# Altium PCB PCB_sim800c_v1.1.PcbDoc (continued)
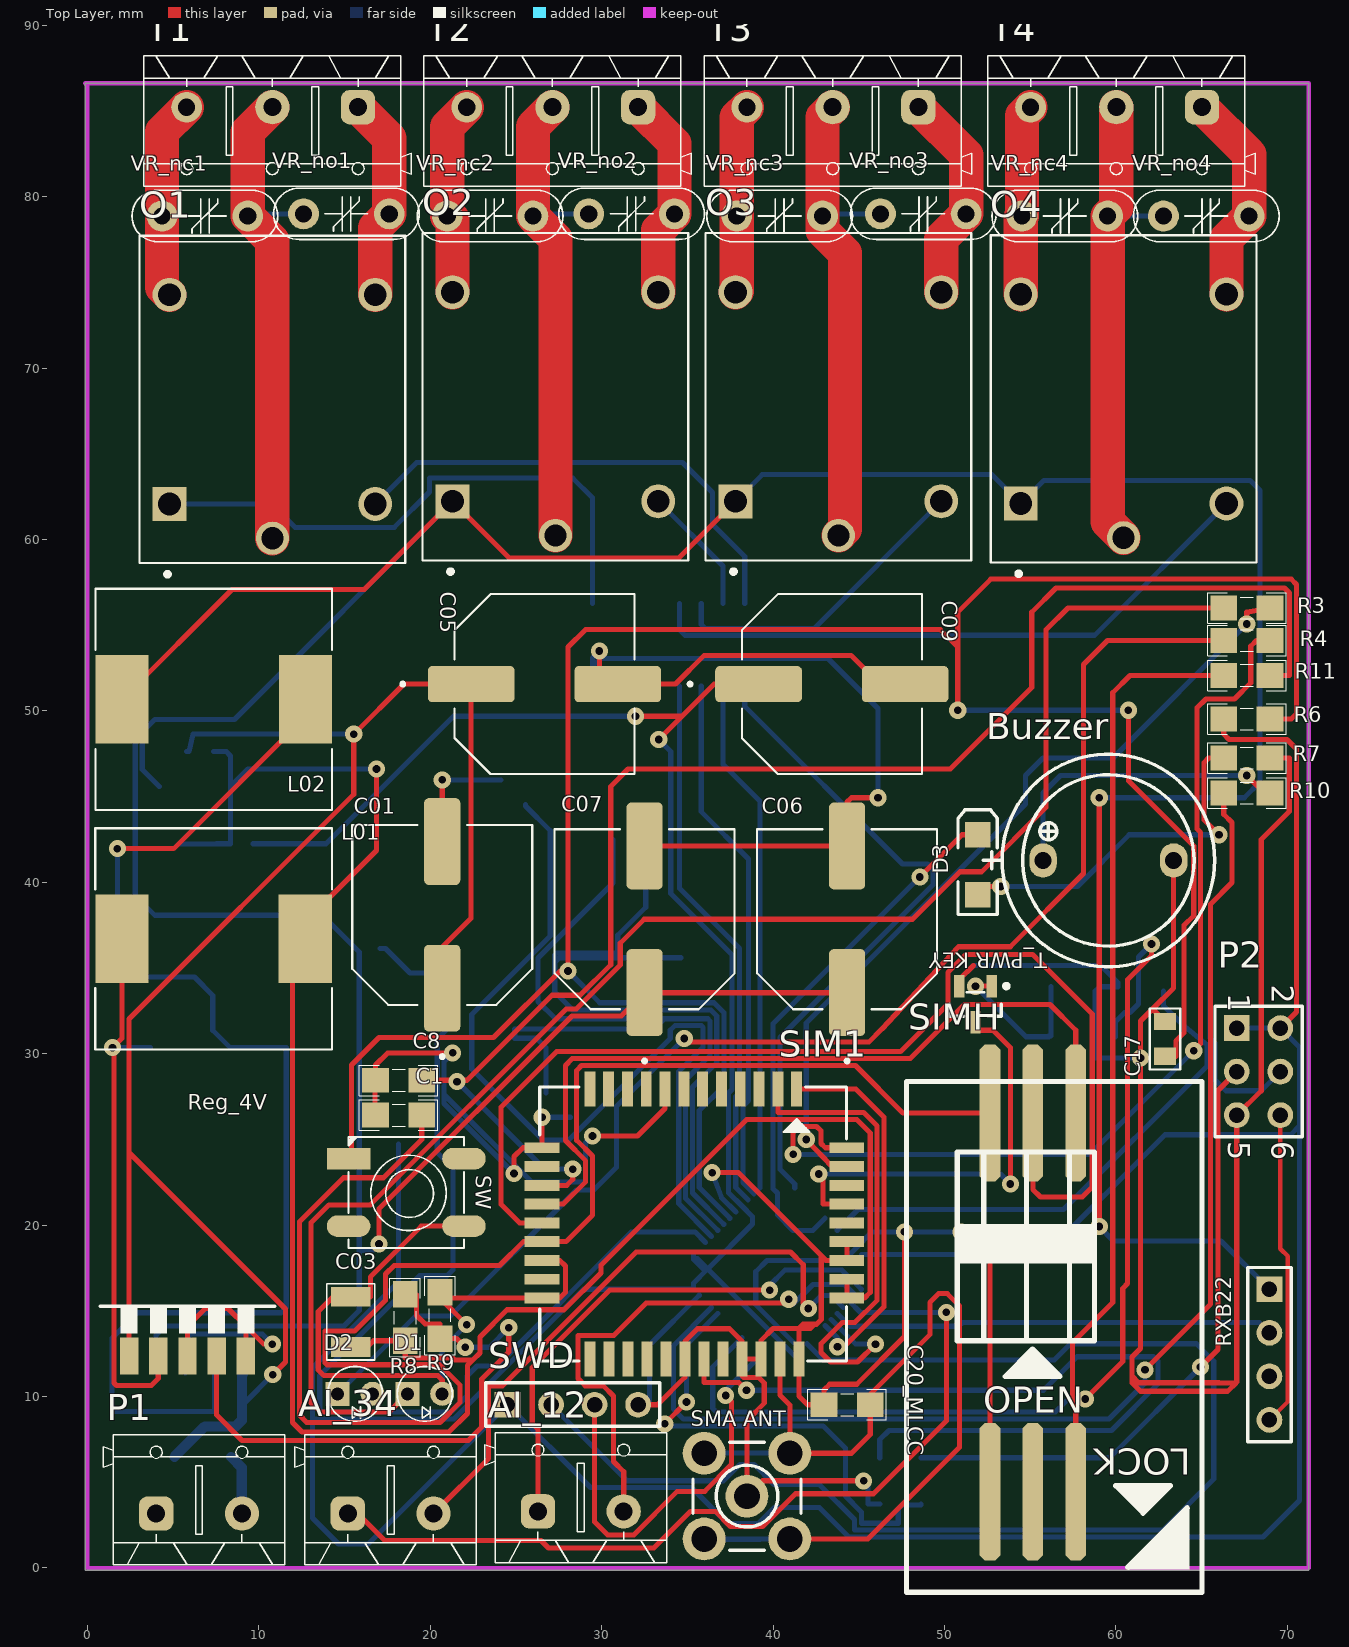
[diagram p0: Top Layer view]
## Part data (continued)
P2: "Header, 3-Pin, Dual row", LatestRevisionDate=17-Jul-2002, LatestRevisionNote="Re-released for DXP Platform.", Publisher="Altium Limited"
R1 R2: library part "RES 1206 0.25W", "RES 1206", Data=16-12-2016, Desc.="RES SMD 1206", Designer="Abbas Basereh"
R3 R4 R5 R6 R7 R8 R9 R10 R11 R12 R13: library part "RES 0805 0.125W", "RES 0805", Data=16-12-2016, Desc.="RES SMD 0805", Designer="Abbas Basereh"
Reg3v3: library part AMS1117-x.x, "x.x Volt, 800mA Low-Dropout Linear Regulator, 4-pin SOT-223", Data=16-12-2016, Designer="Ali Hafizi"
Reg_4V: Package=None, Availability=Unavailable, MF="First Components", MP=LM2596-ADJ, Price=None, SnapEDA_Link=https://www.snapeda.com/parts/LM2596-ADJ/First%20Components/view-part/557542/?ref=snap
Reg_5V: "SIMPLE SWITCHER&reg; 4.5V to 40V, 3A Low Component Count Step-Down Regulator 5-DDPAK/TO-263", Package="TO-263-5 Texas Instruments", Availability=Good, DigiKey-Purchase-URL=https://snapeda.com/shop?store=DigiKey&id=15588, MF="Texas Instruments", Mouser-Purchase-URL=https://snapeda.com/shop?store=Mouser&id=15588, MP=LM2596S-5.0/NOPB, Price=None, SnapEDA_Link=https://www.snapeda.com/parts/LM2596S-5.0/NOPB/Texas%20Instruments/view-part/15588/?ref=snap, Texas_Instruments-Purchase-URL=https://snapeda.com/shop?store=Texas+Instruments&id=15588
RXB22 SWD: "Header, 4-Pin"
Sch1_5822 Sch2_5822: library part "1N5822 SMD", "Schottky Rectifiers", Manufacturer="ON Semiconductor/Fairchild", Data=16-12-2016, Designer="Abbas Basereh", Link=https://www.aliexpress.com/item/Free-shipping-100pcs-1n5822-sma-smd-do-214ac-Schottky-diode-ss34/32337482329.html?spm=2114.01010208.3.1.zLZDsP&ws_ab_test=searchweb0_0,searchweb201602_4_10065_10068_10084_10083_10080_10082_10081_10060_10061_10062_10056_10055_10054_10059_10099_10078_10079_427_10073_10103_10102_10096_10052_10050_10051,searchweb201603_4&btsid=6e50dc92-ac69-45bc-a19e-209af19ce602, Part. No=SS34
SIM1: library part SIM800C, Designer="Ali Hafizi"
"SMA ANT": library part "ANT SMA", Designer="Ali Hafizi"
SW: "PUSHBUTTON SWITCH 6MM SMD"
T1 T2 T3 T4: library part KF301-3Pin_Terminal, "Terminal 3 Pin 250VAC 16A", Designer="Abbas Basereh", Link=https://www.aliexpress.com/item/, Part. No="KF301 3P"
"T_PWR KEY": "45 V, 500 mA NPN general-purpose transistors", ComponentLink1Description="Manufacturer Link", ComponentLink1URL=http://www.nxp.com/, ComponentLink2Description=Datasheet, ComponentLink2URL=http://www.nxp.com/, DatasheetVersion=2017, LatestRevisionDate=2017, LatestRevisionNote="IPC-7351 Footprint Added.", PackageDescription="3-Pin SOT-23 Package 0.95 mm Pitch, 2.3 mm Lead Span", PackageReference=SOT23, PackageVersion=2017-2-8, Published=2017-2-8, Publisher="Abbas Basereh"
U1: "ARMÂ® CortexÂ®-M3 STM32F1 Microcontroller IC 32-Bit 72MHz 64KB _64K x 8_ FLASH", Package="LQFP-48 STMicroelectronics", Availability=Unavailable, MF=STMicroelectronics, MP=STM32F103C8T6, Price=None, SnapEDA_Link=https://www.snapeda.com/parts/STM32F103C8T6/STMicroelectronics/view-part/52195/?ref=snap
VR_nc1 VR_nc2 VR_nc3 VR_nc4 VR_no1 VR_no2 VR_no3 VR_no4: library part "VARISTOR (VDR)", "VARISTORS", Manufacturer=china-canada-philipina, Data=2017-1-5, Designer="Abbas Basereh", Link=digikey.com, Models=MOV-VDR-COV, Publisher="ABBAS BASEREH"
Y1 Y2: library part XTAL, "XTAL Crystal", ComponentLink1Description=Datasheet, ComponentLink2Description=Reference, Design Date=2017-1-3, Designer="ABBAS BASEREH", Mounting Technology="Surface Mount\Through-Hole", Status=Unreleased
SIMH: Deigner="Ali Hafizi"

## Via types
v1: diameter 1, hole 0.45, Top Layer to Bottom Layer, 57 vias

## Nets (pads, with @x,y where several pads share a name; then routed paths per layer and width w, separated by ;. In a path a pad name is that pad's centre, name@x,y a point inside that pad or via, vN(x,y) a via of type N, cw(c..) or ccw(c..) an arc to the next point about the centre after c; other vN are vias at no path point)
3V3: C09.1 C10.1 C18.2 P2.1 P2.2 R6.1 Reg3v3.2 Reg3v3.4 SWD.1 U1.1 U1.9 U1.24 U1.36 U1.48 | length 280
  Top Layer w0.3: v1(31.979,49.682) 34.696,49.682 ; v1(33.337,48.323) 34.696,49.682 ; C09.1 36.576,51.562 34.696,49.682 ; R6.1 66.294,48.641 66.599,48.336 69.977,48.336 70.536,47.777 70.536,32.436 P2.2
  Bottom Layer w0.3: Reg3v3.4 Reg3v3.2 18.161,16.713 13.132,11.684 13.132,8.693 ; v1(31.979,49.682) 21.359,49.682 13.921,42.244 C18.2 ; v1(33.337,48.323) 34.036,47.625 34.036,39.345 37.608,35.772 37.608,27.906 37.408,27.705 37.408,21.891 U1.9 38.811,20.488 38.811,20.066 36.194,17.448 ; U1.1 35.359,18.059 ; U1.36 36.194,17.448 ; U1.24 55.875,18.283 62.865,25.273 70.206,25.273 70.714,25.781 ; P2.1 P2.2 70.714,30.378 70.714,25.781 ; C18.2 11.811,42.24 9.677,42.24 C10.1 C18.2 ; 13.132,8.693 13.132,2.921 14.656,1.397 16.383,1.397 SWD.1 29.345,4.691 35.244,4.691 37.344,2.591 39.144,2.591 40.083,3.531 42.697,3.531 44.423,1.805 68.582,1.805 70.714,3.937 70.714,25.781 ; 13.132,8.693 21.375,8.693 28.942,16.261 U1.48 35.359,16.614 36.17,17.424 ; 35.359,18.059 35.583,18.059 36.194,17.448 ; 35.359,18.059 35.359,18.007 35.941,17.424 36.17,17.424 ; 36.17,17.424 36.194,17.448
4V: C03.POS C04.1 C11.1 C12.1 L01.2 R8.1 SIM1.34 SIM1.35 | length 123.6
  Top Layer w0.3: C03.POS 16.323,12.89 16.688,13.255 R8.1 18.542,12.257 21.296,12.257 21.428,12.125 22.479,12.125 ; v1(16.866,46.609) 16.866,41.859 14.122,39.116 12.716,39.116 L01.2 12.716,35.5 11.963,34.747 11.963,8.484 12.522,7.925 21.082,7.925 22.174,9.017 22.174,11.82 22.479,12.125 ; SIM1.34 SIM1.34@44.323,15.748 ; SIM1.35 44.323,16.843 SIM1.34@44.323,15.748 ; 22.479,12.125 22.901,12.547 22.901,13.477 24.486,15.062 27.813,15.062 29.964,17.213 29.964,17.661 38.466,26.162 44.882,26.162 45.669,25.375 45.669,16.078 45.339,15.748 SIM1.34@44.323,15.748
  Bottom Layer w0.3: C11.1 5.41,42.24 7.544,42.24 C12.1 8.357,42.244 8.357,45.593 ; C04.1 8.103,47.625 8.357,47.371 8.357,45.593 ; v1(16.866,46.609) 9.373,46.609 8.357,45.593
5V: C06.1 C07.1 C08.1 L02.2 O2.A1 O3.A1 O4.A1 Reg3v3.3 Reg_5V.4 RXB22.1 | length 274
  Top Layer w0.3: L02.2 8.433,57.074 16.153,57.074 O2.A1 24.628,58.903 34.492,58.903 O3.A1 ; v1(17.018,18.898) 17.018,20.953 28.272,32.206 31.147,32.206 C07.1 ; v1(59.03,19.914) v1(59.03,44.933) ; C07.1 32.512,33.553 44.323,33.553 C06.1 C07.1
  Bottom Layer w0.3: Reg_5V.4 4.015,13.589 4.548,14.122 14.972,14.122 15.861,15.011 Reg3v3.3 ; C08.1 3.2,46.584 3.2,48.768 ; v1(17.018,18.898) 16.637,18.517 Reg3v3.3 ; O2.A1 8.584,49.505 3.937,49.505 3.2,48.768 ; O3.A1 39.368,63.779 52.772,63.779 O4.A1 55.802,63.449 67.818,63.449 68.402,62.865 68.402,45.847 67.488,44.933 v1(59.03,44.933) ; v1(59.03,19.914) 59.868,19.075 66.142,19.075 RXB22.1 ; 3.2,48.768 2.794,48.362 2.794,39.218 3.937,38.075 13.716,38.075 15.861,35.93 Reg3v3.3
AI_1: AI_12.1 U1.25 | length 30.7
  Top Layer w0.3: AI_12.1 26.289,8.095 25.951,8.433 25.951,11.695 30.461,16.205 v1(39.802,16.205)
  Bottom Layer w0.3: v1(39.802,16.205) 39.802,16.485 40.691,17.374 44.032,17.374 45.145,16.261 U1.25
AI_2: AI_12.2 U1.26 | length 29.9
  Top Layer w0.3: AI_12.2 31.293,3.302 31.293,5.613 30.691,6.215 30.691,10.033 30.099,10.625 29.05,10.625 28.626,11.049 28.626,13.564 30.709,13.564 32.593,15.448 40.696,15.448 v1(40.919,15.672)
  Bottom Layer w0.3: v1(40.919,15.672) 41.187,15.404 42.325,16.542 44.171,16.542 U1.26
AI_3: AI_34.1 U1.27 | length 51.8
  Top Layer w0.3: AI_34.1 15.773,3.175 17.348,1.6 26.467,1.6 26.899,1.168 33.045,1.168 35.179,3.302 36.633,3.302 37.522,2.413 39.395,2.413 41.312,4.33 45.859,4.33 50.114,8.585 v1(50.114,14.91)
  Bottom Layer w0.3: U1.27 45.096,14.91 v1(50.114,14.91)
AI_4: AI_34.2 U1.28 | length 36
  Top Layer w0.3: AI_34.2 23.411,6.393 23.411,10.625 24.214,10.625 32.017,18.428 41.021,18.428 41.76,17.689 41.76,15.441 v1(42.062,15.138)
  Bottom Layer w0.3: v1(42.062,15.138) 42.824,15.9 43.398,15.9 U1.28
Boot0: R12.2 U1.44 | length 28.1
  Top Layer w0.3: v1(33.68,8.407) v1(34.95,9.677)
  Bottom Layer w0.3: v1(33.68,8.407) 33.797,8.291 42.915,8.291 44.221,6.985 44.221,4.191 45.153,3.259 45.153,2.605 47.303,2.605 47.303,3.429 47.557,3.683 48.641,3.683 R12.2 ; v1(34.95,9.677) 34.95,13.024 U1.44
Boot1: R13.1 U1.20 | length 31.1
  Bottom Layer w0.3: U1.20 44.952,20.904 56.947,20.904 65.333,29.29 65.333,30.501 63.881,31.699 62.785,32.795 R13.1
Buzzer: Buzzer.1 R10.2 | length 18
  Top Layer w0.3: v1(67.64,46.228) 68.656,45.212 R10.2
  Bottom Layer w0.3: Buzzer.1 55.753,45.212 56.769,46.228 v1(67.64,46.228)
COM_2: O2.COM T2.2 VR_nc2.2 VR_no2.2 | length 29.4
  Top Layer w2: T2.2 25.995,84.081 VR_nc2.2 27.305,77.557 O2.COM
  Bottom Layer w0.3: VR_nc2.2 26.645,78.867 26.645,78.994 VR_no2.2
COM_3: O3.COM T3.2 VR_nc3.2 VR_no3.2 | length 29.4
  Top Layer w0.3: VR_nc3.2 VR_nc3.2@42.886,79.121
  Top Layer w2: VR_nc3.2 42.886,78.018 44.196,76.708 44.196,60.607 O3.COM ; VR_nc3.2@42.886,79.121 42.886,84.622 T3.2
  Bottom Layer w0.3: VR_nc3.2 42.886,78.994 VR_no3.2
COM_4: O4.COM T4.2 VR_nc4.2 VR_no4.2 | length 29
  Top Layer w2: T4.2 60.024,79.368 VR_nc4.2 59.523,61.028 O4.COM
  Bottom Layer w0.3: VR_nc4.2 VR_no4.2
COM_O: Darlington.9 O1.A1 | length 33.5
  Bottom Layer w0.3: O1.A1 10.748,62.071 12.112,60.706 17.907,60.706 19.964,62.763 19.964,63.576 28.321,63.576 29.464,62.433 Darlington.9
DATA1: RXB22.2 U1.29 | length 25.9
  Bottom Layer w0.3: U1.29 44.495,14.097 50.837,14.097 51.056,14.315 68.362,14.315 RXB22.2
GND: "SMA ANT.1" "T_PWR KEY.2" Buzzer.2 C1.2 C01.2 C02.2 C03.NEG C04.2 C05.2 C06.2 C07.2 C8.1 C08.2 C09.2 C10.2 C11.2 C12.2 C13.2 C14.2 C15.2 C16.2 C17.2 C18.1 C19.2 C20_MLCC.1 D1.2 D2.2 Darlington.8 P1.1 P2.5 P2.6 R2.2 R7.2 R9.2 Reg3v3.1 Reg_4V.3 Reg_4V.5 Reg_4V.6 Reg_5V.3 Reg_5V.5 Reg_5V.6 RXB22.4 Sch1_5822.1 Sch2_5822.1 SIM1.8 SIM1.13 SIM1.19 SIM1.21 SIM1.27 SIM1.30 SIM1.31 SIM1.33 SIM1.36 SIM1.37 SIMH.4 SW.2 SWD.4 U1.8 U1.23 U1.35 U1.47 | length 406.2
  Top Layer w0.254: RXB22.4 70.038,9.713 70.038,18.183 69.596,18.625 P2.6
  Top Layer w0.3: Reg_4V.3 5.842,14.097 6.883,15.138 8.204,15.138 9.246,14.097 ; Reg_4V.5 9.246,14.097 ; v1(10.795,13.056) 10.287,13.056 9.246,14.097 ; C1.2 16.789,26.416 16.789,28.448 C8.1 16.811,29.337 17.522,30.048 v1(21.311,30.048) ; R9.2 R9.2@20.574,15.748 ; D1.2 20.701,10.973 20.447,11.227 13.798,11.227 13.474,11.551 13.474,14.96 14.326,15.811 C03.NEG 16.51,15.811 16.51,16.967 19.482,19.939 SW.2 ; C01.2 v1(20.701,45.974) ; v1(22.128,14.194) R9.2@20.574,15.748 ; v1(24.892,23.012) 24.892,23.995 25.408,24.511 SIM1.13 v1(26.52,26.289) ; SIM1.19 27.559,17.939 27.889,17.609 27.889,16.078 27.559,15.748 SIM1.21 R9.2@20.574,15.748 ; v1(29.464,25.197) 32.101,25.197 33.701,26.797 SIM1.8 ; v1(29.87,53.492) 29.87,51.562 C05.2 34.315,51.562 35.992,53.238 44.552,53.238 46.228,51.562 C09.2 ; SWD.4 33.256,9.525 34.856,11.125 SIM1.27 34.856,13.215 35.599,13.958 37.465,13.958 38.181,13.242 SIM1.30 ; C07.2 32.512,42.113 44.323,42.113 C06.2 44.323,44.679 44.577,44.933 v1(46.126,44.933) ; v1(36.449,23.063) 37.973,23.063 42.812,18.224 ; SIM1.37 44.323,19.034 44.323,17.939 SIM1.36 43.097,17.939 42.812,18.224 ; v1(45.288,5.08) 45.277,5.091 39.381,5.091 38.481,4.191 38.481,8.609 39.485,9.613 39.485,10.795 39.167,11.113 38.288,11.113 38.181,11.22 SIM1.30 ; v1(47.669,19.609) 47.669,13.506 44.882,10.719 43.307,10.719 42.973,10.385 C20_MLCC.1 42.014,9.525 41.506,10.033 SIM1.33 41.506,13.97 ; 50.866,33.943 50.866,34.331 51.689,35.154 ; v1(50.978,19.609) 52.658,17.929 SIMH.4 ; C17.2 62.141,32.601 ; Buzzer.2 63.373,33.833 62.141,32.601 ; R7.2 70.119,47.244 70.119,44.137 68.478,42.496 68.478,27.838 P2.5 67.056,10.846 67.005,10.795 ; SIM1.30 SIM1.31 39.289,13.254 40.005,13.97 41.506,13.97 ; 41.506,13.97 41.506,13.972 41.753,14.22 42.427,14.22 ; 41.506,13.97 42.177,13.97 42.427,14.22 ; 42.427,14.22 42.545,14.22 42.812,14.487 42.812,18.224 ; 60.947,11.201 61.341,10.807 66.028,10.807 66.04,10.795 67.005,10.795 ; 60.947,11.201 60.947,10.807 61.441,10.312 66.523,10.312 67.005,10.795 ; 60.947,11.201 60.947,12.307 61.443,12.803 v1(61.443,29.743) 61.443,31.902 62.141,32.601
  Bottom Layer w0.3: Reg_5V.3 5.969,13.64 10.211,13.64 v1(10.795,13.056) ; D1.2 20.701,12.766 v1(22.128,14.194) ; v1(20.701,45.974) C14.2 ; v1(21.311,30.048) 20.815,29.552 20.815,27.622 ; v1(24.892,23.012) 20.815,27.09 20.815,27.622 ; v1(26.52,26.289) C15.2 ; v1(29.464,25.197) 29.071,24.804 29.071,22.516 25.92,22.516 20.815,27.622 ; Darlington.8 29.464,52.603 ; v1(29.87,53.492) 29.464,53.086 29.464,52.603 ; SWD.4 32.791,9.525 32.791,13 35.698,15.907 U1.47 ; v1(36.449,23.063) 37.008,21.584 U1.8 ; U1.35 38.989,15.36 38.989,17.277 39.644,17.932 44.115,17.932 44.806,18.623 U1.23 45.778,19.609 v1(47.669,19.609) v1(50.978,19.609) ; v1(45.288,5.08) 45.542,4.826 45.542,3.73 C19.2 ; v1(46.126,44.933) 46.126,50.14 43.205,53.061 29.921,53.061 29.464,52.603 ; 51.689,35.154 59.116,35.154 60.116,34.153 R2.2 59.055,33.909 58.801,33.655 58.801,29.743 v1(61.443,29.743)
nc_2: O2.NC T2.3 VR_nc2.1 | length 11.3
  Top Layer w0.3: O2.NC O2.NC@21.311,74.432
  Top Layer w2: VR_nc2.1 20.995,84.081 T2.3 ; VR_nc2.1@21.153,78.867 21.305,78.715 O2.NC
nc_3: O3.NC T3.3 VR_nc3.1 | length 11.1
  Top Layer w2: O3.NC 37.886,74.497 VR_nc3.1 37.886,84.622 T3.3
nc_4: O4.NC T4.3 VR_nc4.1 | length 11.2
  Top Layer w2: O4.NC 54.452,78.796 VR_nc4.1 54.523,84.716 T4.3
NetC1_1: C1.1 SIM1.18 SIMH.1 | length 96.6
  Top Layer w0.3: C1.1 19.511,24.994 17.281,22.763 14.94,22.763 12.37,20.193 12.37,8.915 12.798,8.487 20.57,8.487 21.75,9.666 21.75,10.661 20.553,11.857 13.98,11.857 13.874,11.963 13.874,13.818 15.596,13.818 17.399,15.621 17.399,17.145 17.901,17.647 24.048,17.647 25.435,19.034 SIM1.18 27.924,19.034 29.471,20.581 29.471,24.028 28.545,24.955 28.545,29.027 28.829,29.312 44.806,29.312 47.574,26.543 52.658,26.543 SIMH.1
NetC01_1: C01.1 C02.1 C05.1 F.1 Reg_4V.1 Reg_5V.1 | length 105.8
  Top Layer w0.3: Reg_4V.1 2.438,24.232 ; v1(10.82,11.278) 11.557,12.014 11.557,15.113 2.438,24.232 ; C01.1 20.701,36.22 22.377,37.897 C05.1@22.377,51.562 ; C05.1 C05.1@22.377,51.562 ; 2.438,24.232 2.438,32.029 15.545,45.136 v1(15.545,48.641) 18.466,51.562 C05.1@22.377,51.562
  Bottom Layer w0.3: C02.1 5.918,47.625 6.172,48.641 v1(15.545,48.641) ; Reg_5V.1@9.115,9.572 v1(10.82,11.278)
  Bottom Layer w0.6: F.1 6.859,8.255 8.666,8.255 9.017,8.606 9.017,11.282 Reg_5V.1
NetC19_1: C19.1 SIM1.28 | length 48.9
  Top Layer w0.3: SIM1.28 35.964,10.82 38,10.82 v1(38.457,10.363)
  Bottom Layer w0.3: v1(38.457,10.363) 55.778,10.363 57.734,12.319 62.205,12.319 62.459,12.065 62.459,10.744 59.741,8.026 46.761,8.026 46.228,7.493 C19.1
NetC20_MLCC_2: "SMA ANT.2" C20_MLCC.2 SIM1.32 | length 52.7
  Top Layer w0.3: SIM1.32 40.398,10.084 40.981,9.5 40.981,6.691 44.577,6.691 45.673,7.787 C20_MLCC.2 45.673,10.135 49.149,13.611 49.149,15.494 49.657,16.002 50.165,16.002 50.876,15.291 50.876,7.036 45.531,1.691 40.981,1.691
  Bottom Layer w0.3: 35.981,1.691 35.996,1.676 39.243,1.676 39.258,1.691 40.981,1.691 ; 35.981,6.691 35.996,6.706 40.966,6.706 40.981,6.691
NetD1_1: D1.1 R3.1 | length 91.7
  Top Layer w0.3: D1.1 17.602,9.093 13.589,9.093 13.056,9.627 13.056,20.142 14.097,21.184 16.51,21.184 27.94,32.614 28.52,32.614 31.09,35.183 31.09,36.449 32.487,37.846 48.133,37.846 50.902,40.615 52.172,40.615 55.931,44.374 55.931,54.737 57.201,56.007 R3.1
NetD2_1: D2.1 R4.1 | length 79.4
  Top Layer w0.3: v1(34.823,30.886) 35.036,30.674 45.583,30.674 46.35,31.44 50.821,36.236 53.838,36.236 58.115,40.513 58.115,52.705 59.512,54.102 R4.1
  Bottom Layer w0.3: D2.1 19.134,14.689 21.175,14.689 28.53,22.043 29.544,22.043 30.871,23.37 30.871,26.934 v1(34.823,30.886)
NetD3_1: D3.1 R7.1 | length 21.3
  Top Layer w0.3: D3.1 52.426,39.754 v1(53.287,39.754) ; v1(66.015,42.774) 65.151,43.637 65.151,46.99 65.405,47.244 R7.1
  Bottom Layer w0.3: v1(53.287,39.754) 57.762,39.754 60.782,42.774 v1(66.015,42.774)
NetDarlington_13: Darlington.13 O4.A2 | length 36.8
  Bottom Layer w0.3: Darlington.13 34.544,54.737 34.87,54.411 58.764,54.411 O4.A2
NetDarlington_14: Darlington.14 O3.A2 | length 18.4
  Bottom Layer w0.3: Darlington.14 35.814,55.042 36.045,54.811 42.4,54.811 O3.A2
NetDarlington_15: Darlington.15 O2.A2 | length 7.5
  Bottom Layer w0.3: O2.A2 37.084,58.447 Darlington.15
NetDarlington_16: Darlington.16 O1.A2 | length 28.7
  Bottom Layer w0.3: O1.A2 19.215,64.491 34.722,64.491 36.474,62.738 36.474,60.884 38.354,59.004 Darlington.16
NetF_2: F.2 P1.2 | length 3.6
  Bottom Layer w0.6: F.2 9.006,5.852 9.006,3.186 P1.2
NetL01_1: L01.1 Reg_4V.2 Sch1_5822.2 | length 32.6
  Top Layer w0.3: v1(1.473,30.353) v1@1.549,30.429 ; L01.1 2.016,30.896 v1@1.549,30.429 ; Reg_4V.2 4.14,11.049 3.734,10.643 1.702,10.643 1.549,10.795 v1@1.549,30.429
  Bottom Layer w0.3: v1(1.473,30.353) Sch1_5822.2
NetL02_1: L02.1 Reg_5V.2 Sch2_5822.2 | length 74
  Top Layer w0.3: v1(1.753,41.961) 5.036,41.961 12.732,49.657 L02.1
  Bottom Layer w0.3: v1(1.753,41.961) 1.753,34.468 6.248,34.468 7.315,33.401 7.315,31.369 8.331,30.353 Sch2_5822.2 11.608,30.353 11.608,15.189 11.303,14.884 2.921,14.884 1.448,13.411 1.448,9.119 7.415,9.119 Reg_5V.2
NetO1_COM: O1.COM T1.2 VR_nc1.2 VR_no1.2 | length 29.7
  Top Layer w2: O1.COM 10.795,77.43 VR_nc1.2 9.358,83.78 T1.2
  Bottom Layer w0.3: VR_nc1.2 9.358,78.994 VR_no1.2
NetO1_NC: O1.NC T1.3 VR_nc1.1 | length 11.7
  Top Layer w2: O1.NC 4.358,74.708 VR_nc1.1 4.358,83.78 T1.3
NetO1_NO: O1.NO T1.1 VR_no1.1 | length 19
  Top Layer w2: T1.1 17.613,83.399 VR_no1.1 16.795,78.176 O1.NO
  Bottom Layer w0.3: T1.1 17.613,83.399 VR_no1.1
NetP2_3: P2.3 R12.1 | length 36.6
  Top Layer w0.3: v1(64.94,11.727) 65.956,12.743 65.956,27.856 P2.3
  Bottom Layer w0.3: R12.1 59.643,6.43 v1(64.94,11.727)
NetP2_4: P2.4 R13.2 | length 9.8
  Bottom Layer w0.3: R13.2 65.485,30.915 65.786,30.614 65.786,28.473 66.421,27.838 68.478,27.838 P2.4
NetR1_1: "T_PWR KEY.1" R1.1 R2.1 | length 9.5
  Top Layer w0.3: v1(51.816,33.934) 51.825,33.943 52.766,33.943
  Bottom Layer w0.3: v1(51.816,33.934) 54.762,30.988 R1.1 56.089,31.039 56.216,31.039 R2.1
NetR1_2: R1.2 U1.40 | length 61.6
  Top Layer w0.3: v1(58.217,9.855) 60.401,12.04 60.401,16.307 60.681,16.586 60.681,34.315 62.078,35.712 v1(62.078,36.398)
  Bottom Layer w0.3: U1.40 36.486,11.732 36.486,9.305 36.698,9.093 56.464,9.093 57.226,9.855 v1(58.217,9.855) ; R1.2 59.989,31.877 60.522,32.41 60.833,32.41 61.316,32.893 61.316,35.636 v1(62.078,36.398)
NetR3_2: R3.2 SIM1.41 | length 48.2
  Top Layer w0.3: v1(41.935,24.994) 43.434,23.416 SIM1.41 ; v1(67.64,55.067) 67.64,55.753 R3.2
  Bottom Layer w0.3: v1(41.935,24.994) 41.935,31.785 54.722,44.572 54.722,46.225 55.753,47.255 59.828,47.255 v1(67.64,55.067)
NetR4_2: R4.2 SIM1.42 | length 58.8
  Top Layer w0.3: v1(41.173,24.13) 41.173,25.4 41.529,25.756 42.545,25.756 42.799,25.502 42.799,24.765 43.053,24.511 SIM1.42 ; v1(64.541,30.175) 64.948,30.582 64.948,42.901 64.745,43.104 64.745,50.19 65.253,50.698 66.929,50.698 67.869,51.638 67.869,53.772 68.199,54.102 R4.2
  Bottom Layer w0.3: v1(41.173,24.13) 58.496,24.13 v1(64.541,30.175)
NetR8_2: R8.2 R9.1 Reg_4V.4 | length 35.3
  Top Layer w0.3: Reg_4V.4 7.544,8.915 9.017,7.442 22.225,7.442 23.011,8.228 23.011,11.025 24.587,12.601 v1(24.587,14.021) ; R8.2 19.202,15.955 19.202,14.732 19.71,14.224 20.574,14.224 R9.1 21.543,13.382 v1(22.047,12.878)
  Bottom Layer w0.3: v1(22.047,12.878) 23.444,12.878 v1(24.587,14.021)
NetR10_1: R10.1 U1.45 | length 72.2
  Top Layer w0.3: v1(61.697,11.557) 65.532,15.392 65.532,38.735 66.777,39.98 66.777,43.485 66.294,43.967 R10.1
  Bottom Layer w0.3: U1.45 34.188,12.969 34.188,9.271 34.768,8.691 59.593,8.691 61.697,10.795 v1(61.697,11.557)
NetR11_1: R11.1 SIMH.6 | length 54.6
  Top Layer w0.3: SIMH.6 57.658,9.347 57.467,9.538 57.467,13.144 59.817,15.494 59.817,51.054 60.833,52.07 R11.1
NetSIM1_1: SIM1.1 U1.31 | length 22.1
  Top Layer w0.3: SIM1.1 44.831,27.94 46.482,26.289 46.482,15.236 44.149,12.903 v1(43.766,12.903)
  Bottom Layer w0.3: U1.31 43.766,13.411 v1(43.766,12.903)
NetSIM1_2: SIM1.2 U1.30 | length 29.5
  Top Layer w0.3: SIM1.2 40.282,26.568 45.288,26.568 46.076,25.781 46.076,15.621 44.784,14.329 44.047,14.329 42.799,13.081 42.799,12.573 43.358,12.014 44.933,12.014 v1(45.974,13.056)
  Bottom Layer w0.3: U1.30 44.829,13.056 v1(45.974,13.056)
NetSIM1_16: SIM1.16 SIMH.3 | length 47.1
  Top Layer w0.3: SIM1.16 27.766,21.225 29.071,22.53 29.071,23.749 27.889,24.931 27.889,29.318 28.289,29.718 48.006,29.718 51.156,32.868 56.159,32.868 57.658,31.369 SIMH.3
NetSIM1_17: SIM1.17 SIMH.2 | length 67.6
  Top Layer w0.3: SIM1.17 25.221,20.13 24.142,21.209 24.142,26.885 27.381,30.124 47.447,30.124 50.216,32.893 50.216,34.747 51.253,35.784 55.148,35.784 58.623,32.309 58.623,22.225 58.039,21.641 55.601,21.641 55.158,22.083 SIMH.2
no_2: O2.NO T2.1 VR_no2.1 | length 12.1
  Top Layer w2: T2.1 34.25,83.098 VR_no2.1 33.305,78.049 O2.NO
no_3: O3.NO T3.1 VR_no3.1 | length 12.5
  Top Layer w2: T3.1 51.268,82.43 VR_no3.1 49.815,77.541 O3.NO
no_4: O4.NO T4.1 VR_no4.1 | length 12.6
  Top Layer w2: T4.1 67.778,82.463 VR_no4.1 66.452,77.541 O4.NO
PB0: D3.2 U1.18 | length 31.2
  Top Layer w0.3: v1(48.565,40.31) 51.026,42.771 D3.2
  Bottom Layer w0.3: U1.18 42.318,19.685 41.173,19.685 40.259,20.599 40.259,21.869 40.005,22.123 40.005,31.75 v1(48.565,40.31)
PWR_KEY: "T_PWR KEY.3" SIM1.39 | length 25.5
  Top Layer w0.3: v1(42.672,22.987) 42.926,22.733 42.926,21.225 SIM1.39 ; 51.816,31.843 51.816,31.369 52.832,31.369 53.848,30.353 v1(53.848,22.403)
  Bottom Layer w0.3: v1(42.672,22.987) 53.264,22.987 v1(53.848,22.403)
RL_1: Darlington.1 U1.13 | length 38.7
  Bottom Layer w0.3: Darlington.1 38.354,50.267 47.549,41.072 49.022,41.072 49.327,40.767 49.327,39.853 40.411,30.937 40.411,23.262 41.27,22.403 U1.13
RL_2: Darlington.2 U1.12 | length 30.2
  Bottom Layer w0.3: Darlington.2 37.084,46.888 39.248,44.725 U1.12
RL_3: Darlington.3 U1.11 | length 31.2
  Bottom Layer w0.3: Darlington.3 35.814,44.12 38.57,41.364 38.57,27.267 38.247,26.944 38.247,22.48 38.894,21.833 U1.11
RL_4: Darlington.4 U1.10 | length 31.8
  Bottom Layer w0.3: Darlington.4 34.544,39.649 38.046,36.147 38.046,27.734 37.822,27.51 37.822,22.198 38.541,21.479 U1.10
RST_M: C17.1 R6.2 SW.1 U1.7 | length 154.8
  Top Layer w0.3: SW.1 15.418,23.876 15.418,29.337 17.018,30.937 23.698,30.937 27.584,34.823 v1(28.042,34.823) 28.042,53.721 29.058,54.737 49.759,54.737 50.775,53.721 ; v1(50.775,50.038) 50.775,53.721 ; v1(60.731,50.038) 60.731,45.923 64.541,42.113 64.541,38.049 63.983,37.49 63.983,31.217 63.5,30.734 63.5,29.845 C17.1 ; R6.2 70.231,49.53 70.536,49.835 70.536,57.379 70.231,57.683 52.705,57.683 50.775,55.753 50.775,53.721
  Bottom Layer w0.3: v1(28.042,34.823) 29.896,32.969 36.551,32.969 37.135,32.385 37.135,28.118 35.699,26.682 35.699,22.2 37.48,20.419 U1.7 ; v1(50.775,50.038) v1(60.731,50.038)
SIM_DATA: C8.2 R11.2 SIM1.15 | length 88.8
  Top Layer w0.3: C8.2 v1@21.488,28.448 ; v1(21.565,28.372) v1@21.488,28.448 ; SIM1.15 27.965,22.32 28.321,22.676 v1(28.321,23.266) ; R11.2 70.129,52.07 70.129,56.877 69.831,57.175 56.515,57.175 55.093,55.753 55.093,51.359 50.343,46.609 31.547,46.609 30.531,45.593 30.531,35.19 28.747,33.406 27.107,33.406 22.149,28.448 21.565,28.448 v1@21.488,28.448
  Bottom Layer w0.3: v1(21.565,28.372) 26.67,23.266 v1(28.321,23.266)
SWCLK: SWD.3 U1.37 | length 24.2
  Top Layer w0.3: SWD.3 29.591,2.692 30.353,1.93 31.877,1.93 34.417,4.47 36.023,4.47 37.581,6.028 37.581,9.714 v1(37.236,10.058)
  Bottom Layer w0.3: v1(37.236,10.058) 37.236,10.36 U1.37
SWIO: SWD.2 U1.34 | length 75.9
  Bottom Layer w0.3: SWD.2 31.485,5.091 37.118,5.091 38.072,6.045 38.89,6.045 40.059,4.876 42.698,4.876 44.753,2.821 44.753,2.205 62.733,2.205 65.71,5.182 65.71,12.065 64.694,13.081 57.353,13.081 56.413,12.141 42.915,12.141 U1.34
XTAL_A: C15.1 R5.1 U1.5 Y1.1 | length 49.5
  Bottom Layer w0.3: C15.1 26.757,30.353 26.206,30.904 Y1.1 24.935,31.445 33.082,31.445 33.673,32.036 ; R5.1 30.668,39.964 26.289,35.584 26.289,33.052 27.305,32.036 33.673,32.036 ; U1.5 34.899,21.571 34.899,28.46 36.315,29.876 36.315,31.917 36.195,32.036 33.673,32.036
XTAL_B: C16.1 R5.2 U1.6 Y1.2 | length 42.3
  Bottom Layer w0.3: R5.2 32.578,38.547 Y1.2 30.945,35.865 27.37,35.865 27.266,35.762 27.266,35.307 ; C16.1 27.559,35.6 27.266,35.307 ; U1.6 35.299,21.878 35.299,28.06 36.715,29.476 36.715,32.203 36.373,32.544 28.321,32.544 27.266,33.599 27.266,35.307
XTAL_C: C13.1 U1.3 Y2.1 | length 62.7
  Bottom Layer w0.3: C13.1 17.401,36.142 18.829,34.714 Y2.1 20.998,31.437 20.415,30.854 20.415,24.239 21.336,23.317 21.336,17.399 20.98,17.043 19.373,17.043 13.556,11.227 13.556,9.093 21.209,9.093 22.141,10.025 22.141,11.194 22.733,11.786 23.902,11.786 31.725,19.609 35.447,19.609 U1.3
XTAL_D: C14.1 U1.4 Y2.2 | length 49.8
  Bottom Layer w0.3: C14.1 25.567,44.447 27.008,43.006 Y2.2 27.008,36.869 22.428,32.289 22.428,29.114 26.574,24.968 28.087,24.968 34.005,30.886 34.005,31.369 34.272,31.636 35.814,31.636 35.915,31.536 35.915,30.377 34.499,28.962 34.499,21.264 U1.4
pads on no net: Darlington.5 Darlington.6 Darlington.7 Darlington.10 Darlington.11 Darlington.12 RXB22.3 SIM1.3 SIM1.4 SIM1.5 SIM1.6 SIM1.7 SIM1.9 SIM1.10 SIM1.11 SIM1.12 SIM1.14 SIM1.20 SIM1.22 SIM1.23 SIM1.24 SIM1.25 SIM1.26 SIM1.29 SIM1.38 SIM1.40 SIMH.5 SW.3 SW.4 U1.2 U1.14 U1.15 U1.16 U1.17 U1.19 U1.21 U1.22 U1.32 U1.33 U1.38 U1.39 U1.41 U1.42 U1.43 U1.46

## Polygon pours and split planes (outlines as drawn)
GND on Bottom Layer "GND_L02_P001" (solid, pour order 1): -0.127,86.614 71.247,86.614 71.374,86.487 71.374,0 45.085,0 45.085,13.081 22.479,13.081 22.86,12.7 22.86,-0.127 -0.127,-0.127

## Keep-outs
Top Layer:
  lines w0.254: -0.127,86.614 71.247,86.614 71.247,0 0,0 0,86.487 -0.127,86.614

## Text inside footprints (layer, text, board x,y; h text height)
P2: Top Overlay "1" at 66.548,33.528 h1.27 r270; Top Overlay "2" at 69.088,34.036 h1.27 r270; Top Overlay "5" at 66.548,24.892 h1.27 r270; Top Overlay "6" at 69.088,24.892 h1.27 r270
SIMH: Top Overlay "LOCK" at 64.358,6.945 h1.52 r180; Top Overlay "OPEN" at 52.258,9.045 h1.52